# KiCad board InsidePanel.kicad_pcb (continued)
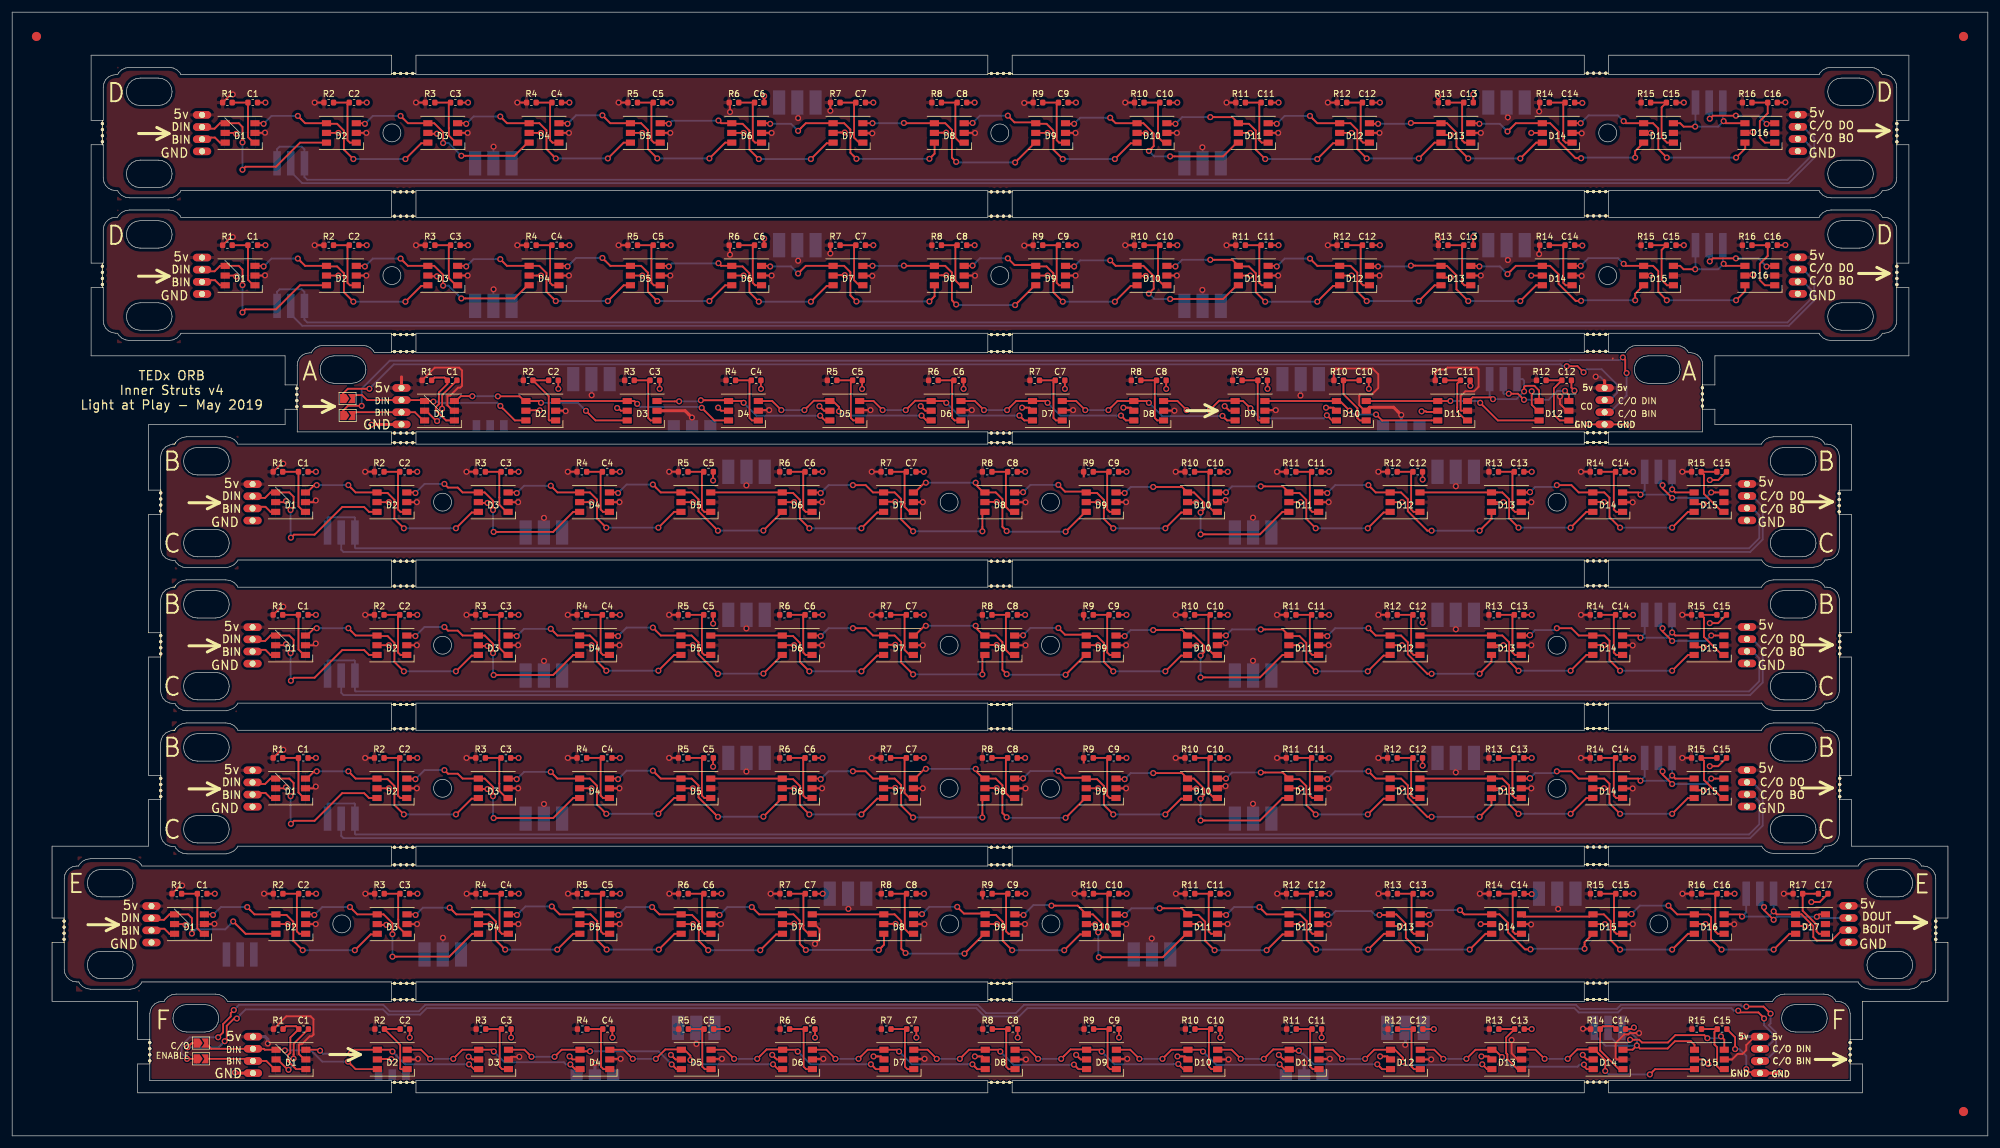
[diagram p0: board, top side]
## Copper pours and planes (outline as drawn; the poured copper is in the pictures) (continued)
GND on Bottom: 302.46,9.06 302.46,19.96 302.06,21.16 301.56,21.66 300.96,21.86 300.46,21.96 300.06,22.06 299.36,22.76 298.76,23.06 298.16,23.26 291.66,23.26 290.96,23.16 290.36,22.86 289.86,22.36 289.66,22.06 35.56,22.06 34.86,22.76 34.26,23.06 33.56,23.16 27.06,23.26 26.36,23.06 25.76,22.76 25.26,22.26 25.16,21.96 24.66,21.96 24.16,21.86 23.66,21.66 23.16,21.16 22.86,20.56 22.76,19.96 22.76,9.06
GND on Bottom: 303.75,24 303.75,25.5 314.25,25.5 314.25,24
GND on Bottom: 303.75,44.5 303.75,46 314.25,46 314.25,44.5
GND on Bottom: 288,46.25 288,47.75 298.5,47.75 298.5,46.25
GND on Bottom: 287.75,66.75 287.75,68.25 298.25,68.25 298.25,66.75
GND on Bottom: 288,69.5 288,71 298.5,71 298.5,69.5
GND on Bottom: 288,90.25 288,91.75 298.5,91.75 298.5,90.25
GND on Bottom: 288,93.25 288,94.75 298.5,94.75 298.5,93.25
GND on Bottom: 288.25,113.75 288.25,115.25 298.75,115.25 298.75,113.75
GND on Bottom: 297.25,130.5 297.25,132 307.75,132 307.75,130.5
GND on Bottom: 297.25,151.25 297.25,152.75 307.75,152.75 307.75,151.25
GND on Bottom: 297,154 297,155.5 307.5,155.5 307.5,154
GND on Bottom: 297.5,174.75 297.5,176.25 308,176.25 308,174.75
GND on Bottom: 14.99,151.47 309.98,151.41 309.98,131.61 14.99,131.67
GND on Bottom: 14.99,174.95 309.98,174.89 309.98,155.09 14.99,155.15
GND on Bottom: 25.4,114.27 300.8,114.23 300.8,94.43 25.4,94.47
GND on Bottom: 25.4,90.71 300.8,90.67 300.8,70.87 25.4,70.91
GND on Bottom: 302.46,9.06 302.46,19.96 302.06,21.16 301.56,21.66 300.96,21.86 300.46,21.96 300.06,22.06 299.36,22.76 298.76,23.06 298.16,23.26 291.66,23.26 290.96,23.16 290.36,22.86 289.86,22.36 289.66,22.06 35.56,22.06 34.86,22.76 34.26,23.06 33.56,23.16 27.06,23.26 26.36,23.06 25.76,22.76 25.26,22.26 25.16,21.96 24.66,21.96 24.16,21.86 23.66,21.66 23.16,21.16 22.86,20.56 22.76,19.96 22.76,9.06
GND on Bottom: 8.76,44.8 316.16,44.8 316.16,25 8.76,25
GND on Bottom: 25.4,67.16 300.8,67.12 300.8,47.32 25.4,47.36
GND on Bottom: 275.6,128.68 275,129.48 273.7,129.88 266.6,129.88 265.5,129.08 265.3,128.78 59.5,128.78 58.9,129.48 57.5,129.98 51.2,129.98 50.1,129.68 49.4,129.08 49.2,128.78 47.7,128.38 47,127.38 46.9,126.78 46.9,115.88 277.9,115.88 277.9,126.78 277.8,127.48 277.3,128.18 276.7,128.58 276,128.78
(no net) on Top: 10.5,23.75 10.5,25.25 21,25.25 21,23.75
(no net) on Top: 10.75,44.5 10.75,46 21.25,46 21.25,44.5
(no net) on Top: 26.5,46.25 26.5,47.75 37,47.75 37,46.25
(no net) on Top: 26.25,66.75 26.25,68.25 36.75,68.25 36.75,66.75
(no net) on Top: 26.5,69.75 26.5,71.25 37,71.25 37,69.75
(no net) on Top: 26.25,90.25 26.25,91.75 36.75,91.75 36.75,90.25
(no net) on Top: 26.75,93.25 26.75,94.75 37.25,94.75 37.25,93.25
(no net) on Top: 26.75,113.75 26.75,115.25 37.25,115.25 37.25,113.75
(no net) on Top: 17.25,130.5 17.25,132 27.75,132 27.75,130.5
(no net) on Top: 17.25,151 17.25,152.5 27.75,152.5 27.75,151
(no net) on Top: 17.25,154 17.25,155.5 27.75,155.5 27.75,154
(no net) on Top: 17.25,174.5 17.25,176 27.75,176 27.75,174.5
(no net) on Bottom: 10.5,23.75 10.5,25.25 21,25.25 21,23.75
(no net) on Bottom: 10.75,44.5 10.75,46 21.25,46 21.25,44.5
(no net) on Bottom: 26.5,46.25 26.5,47.75 37,47.75 37,46.25
(no net) on Bottom: 26.25,66.75 26.25,68.25 36.75,68.25 36.75,66.75
(no net) on Bottom: 26.5,69.75 26.5,71.25 37,71.25 37,69.75
(no net) on Bottom: 26.25,90.25 26.25,91.75 36.75,91.75 36.75,90.25
(no net) on Bottom: 26.75,93.25 26.75,94.75 37.25,94.75 37.25,93.25
(no net) on Bottom: 26.75,113.75 26.75,115.25 37.25,115.25 37.25,113.75
(no net) on Bottom: 17.25,130.5 17.25,132 27.75,132 27.75,130.5
(no net) on Bottom: 17.25,151 17.25,152.5 27.75,152.5 27.75,151
(no net) on Bottom: 17.25,154 17.25,155.5 27.75,155.5 27.75,154
(no net) on Bottom: 17.25,174.5 17.25,176 27.75,176 27.75,174.5

## Text on the board
B.SilkS: B | DO | DIN | BIN | NO-CONN | G | 5v | CO | BO | C/O DIN | C/O BIN | BOUT | DOUT | C/O IN | GND | C/O DO | C/O BO | E | D | F | C | A
F.SilkS: C/O DIN | C/O BIN | DIN | BIN | CO | C/O / ENABLE | 5v | GND | C/O DO | C/O BO | DOUT | BOUT | TEDx ORB / Inner Struts v4 / Light at Play - May 2019 | E | D | F | B | C | A
